# Altium PCB Fri3D_2024_00.PcbDoc (part 1 of 2)
Units mm, origin at the board's own origin, x right, y up, seen from the top; angles counter-clockwise.
Board outline 130.04 x 99.52 mm, 2 copper layers (Top Layer, Bottom Layer), stack 1.571 mm thick; 101 components, 67 nets, 406 pads, 196 vias.
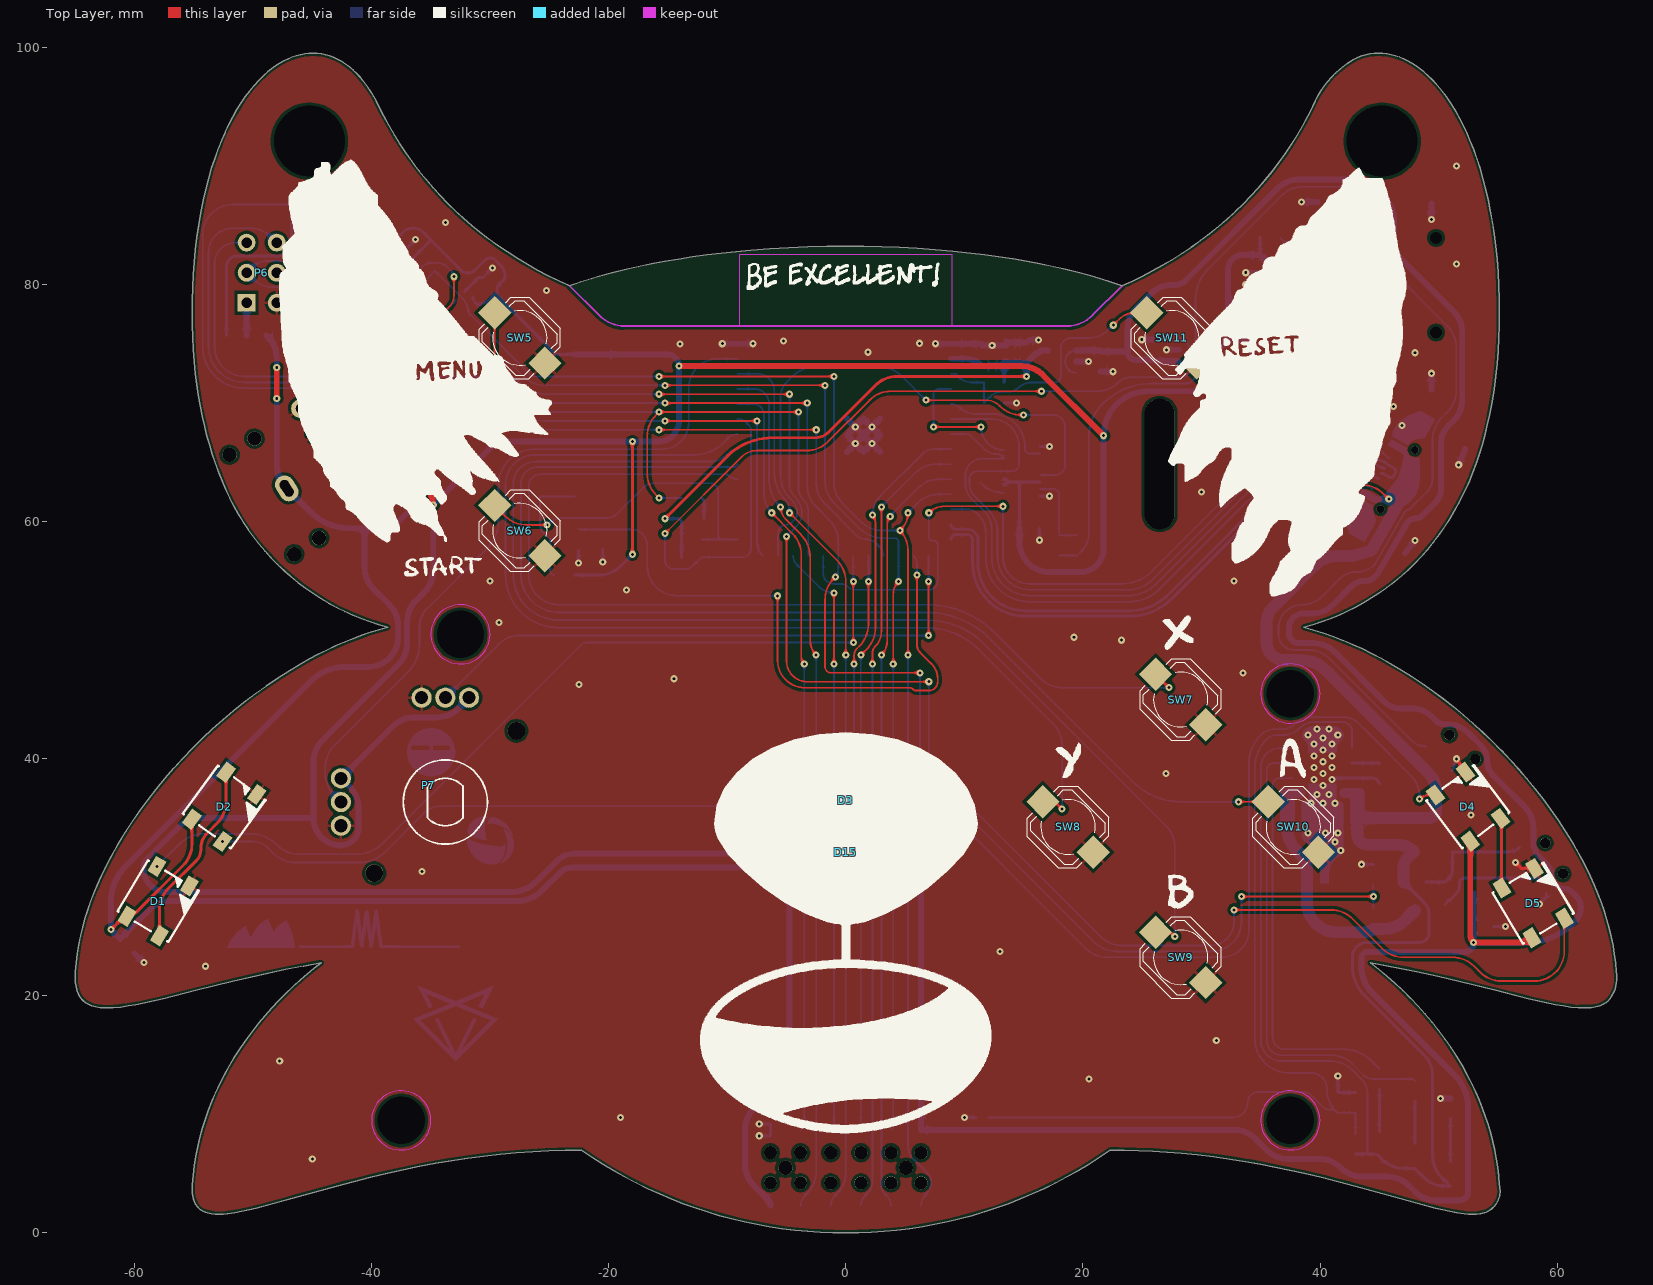
[diagram p0: Top Layer view]
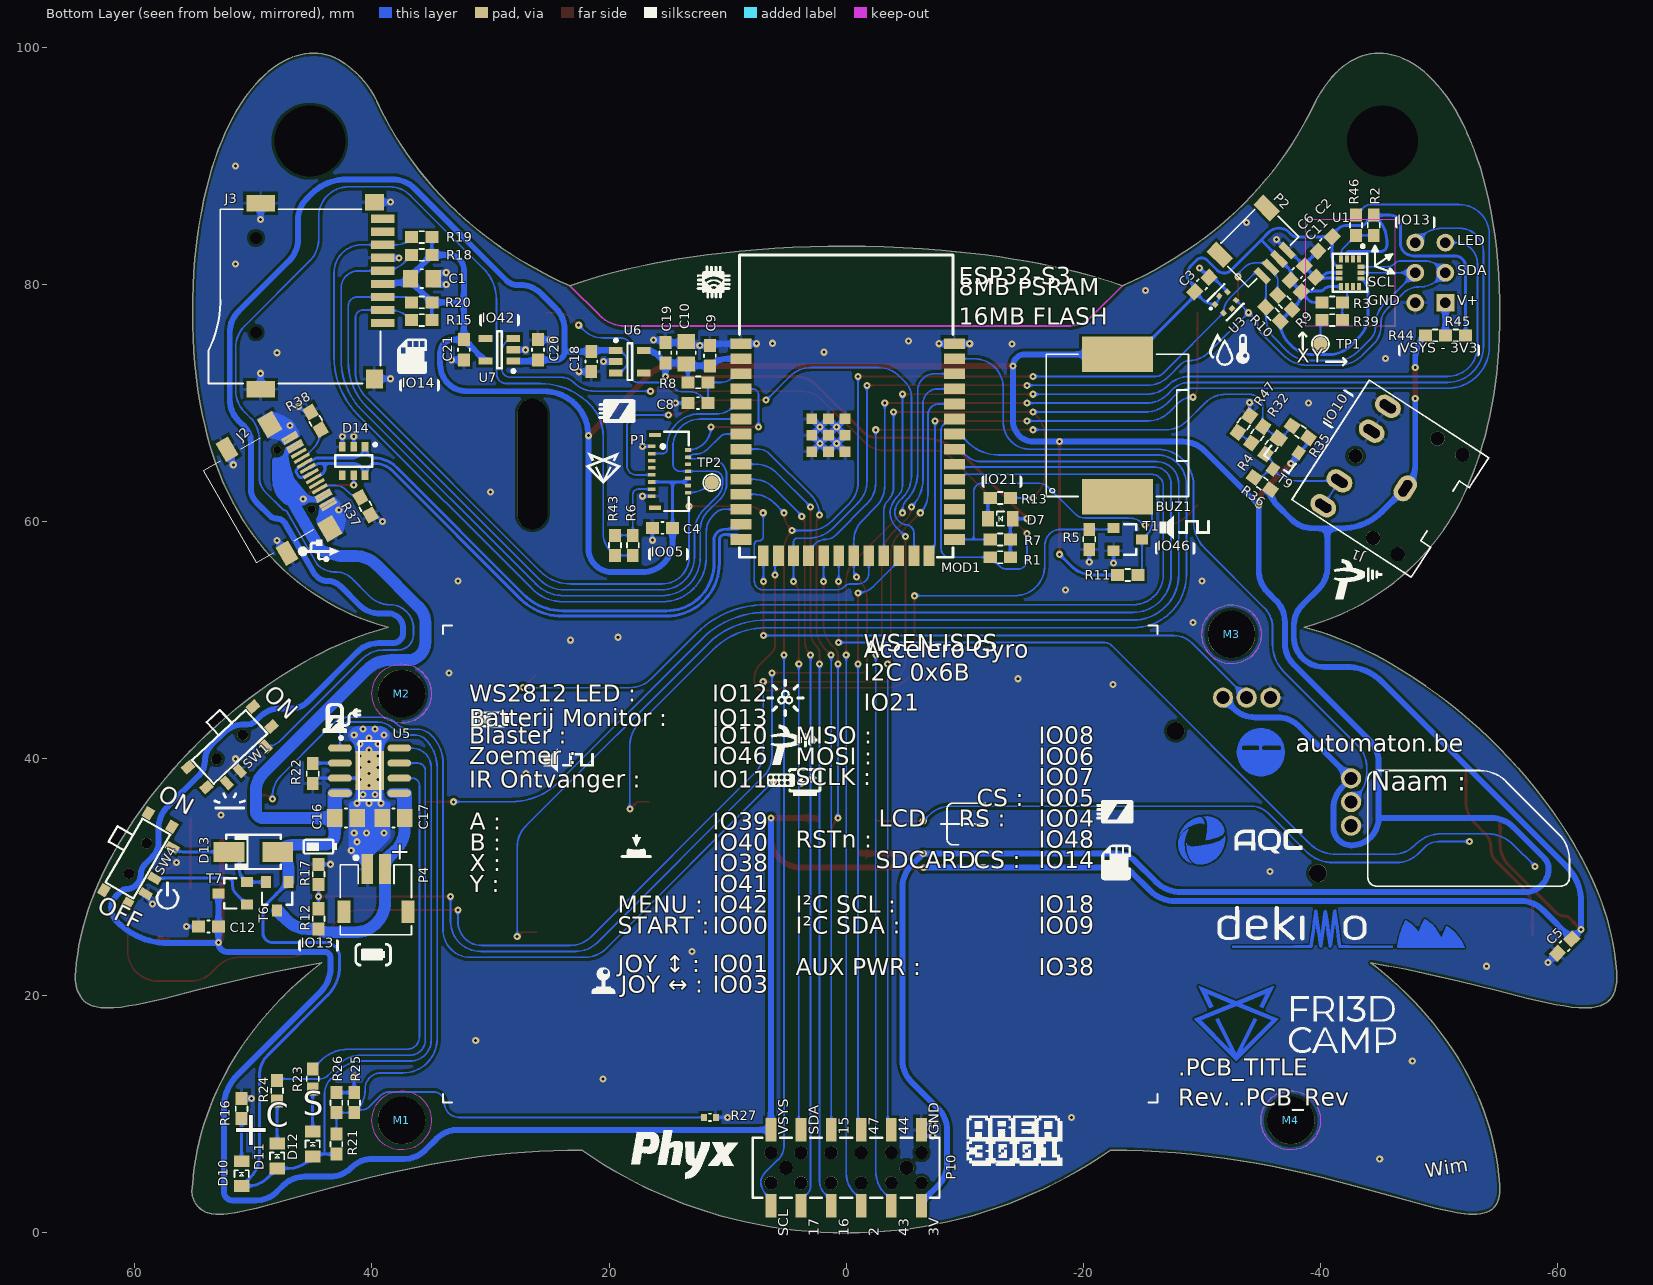
[diagram p1: Bottom Layer view, seen from below]
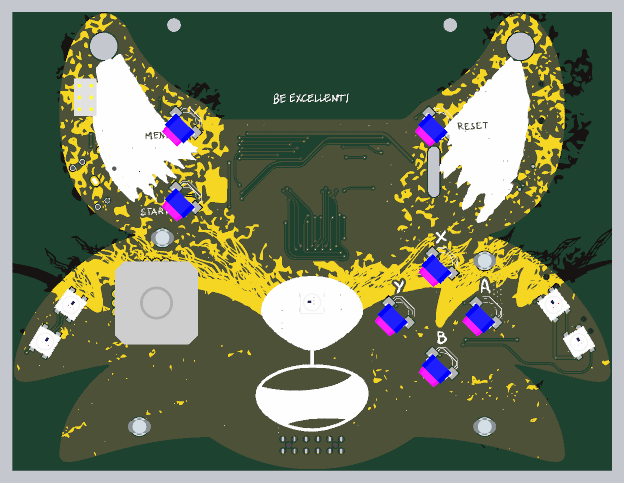
[diagram p3: 3D render of the assembled board from above, using the file's embedded part models]
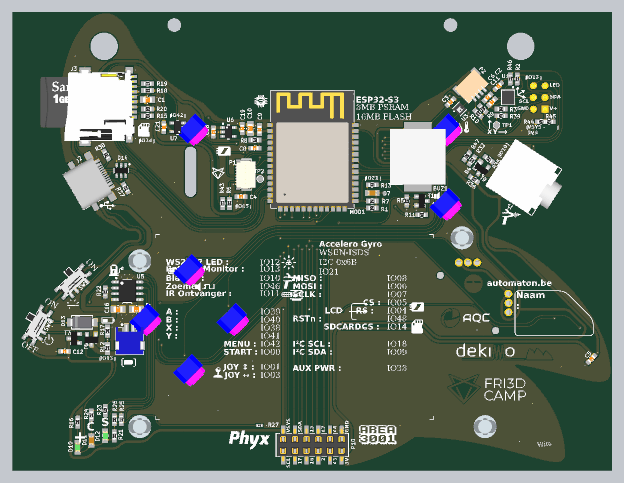
[diagram p4: 3D render of the assembled board from below, using the file's embedded part models]

## Layer stack, top to bottom
Top Solder: solder mask 0.0102, Solder Resist, Dk 3.5
Top Layer: signal copper 0.0356
Dielectric1: core 1.5, FR-4, Dk 4.8
Bottom Layer: signal copper 0.0356
Bottom Solder: solder mask 0.0102, Solder Resist, Dk 3.5

## Board outline
-63.256,19.074 ccw(c-62.252,24.51) -61.788,19.002 ccw(c-62.964,34.759) -59.89,19.26 ccw(c-68.889,65.644) -57.57,19.771 -54.837,20.457 -51.7,21.24 cw(c-26.332,-82.199) -44.25,22.787 ccw(c-25.075,-2.425) -46.003,21.352 ccw(c-26.307,-1.111) -50.539,16.363 ccw(c-29.06,0.905) -52.822,12.552 ccw(c-32.639,2.54) -55.117,4.074 ccw(c-52.153,3.711) -54.866,2.464 ccw(c-53.506,3.213) -53.87,1.703 ccw(c-52.825,6.195) -52.155,1.632 ccw(c-54.496,20.473) -49.749,2.09 ccw(c-72.093,91.13) -46.678,2.918 -42.969,3.955 cw(c-13.303,-104.925) -38.65,5.041 cw(c-21.899,-65.855) -22.298,6.991 ccw(c-0.057,38.872) 0,0 ccw(c0.057,38.874) 22.298,6.991 cw(c22.239,-60.292) 28.287,6.719 cw(c21.753,-65.511) 33.747,6.015 cw(c19.894,-76.482) 38.65,5.041 cw(c13.305,-104.916) 42.969,3.955 46.678,2.918 ccw(c72.092,91.122) 49.749,2.091 ccw(c54.496,20.473) 52.156,1.632 ccw(c52.825,6.195) 53.871,1.703 ccw(c53.257,3.539) 55.117,4.074 ccw(c33.566,2.696) 54.385,8.433 ccw(c31.587,2.141) 52.823,12.552 ccw(c29.061,0.905) 50.54,16.363 ccw(c25.928,-1.44) 44.251,22.787 cw(c28.417,-71.227) 48.169,22.043 cw(c22.401,-99.498) 51.701,21.24 54.838,20.457 57.57,19.771 ccw(c68.89,65.643) 59.89,19.26 ccw(c62.965,34.759) 61.789,19.002 ccw(c62.253,24.51) 63.257,19.074 ccw(c62.868,21.245) 64.285,19.555 ccw(c62.117,21.514) 64.989,22.053 ccw(c45.903,20.846) 64.407,25.677 ccw(c40.218,19.379) 63.138,29.349 ccw(c33.937,16.674) 61.27,32.992 ccw(c23.743,10.09) 49.521,45.703 ccw(c25.943,13.31) 45.945,48.026 ccw(c30.862,22.347) 38.628,51.097 ccw(c33.432,71.011) 47.457,55.949 ccw(c33.022,71.262) 51.334,60.893 ccw(c29.914,73.088) 52.886,64.153 ccw(c25.545,74.776) 54.084,68 ccw(c13.859,77.236) 55.129,77.633 ccw(c5.405,77.744) 54.819,83.286 ccw(c16.728,79.035) 53.958,88.143 ccw(c26.604,81.478) 52.646,92.176 ccw(c34.694,84.834) 50.985,95.359 ccw(c40.532,88.643) 49.078,97.662 ccw(c43.831,92.155) 47.024,99.059 ccw(c44.915,94.476) 44.926,99.521 ccw(c44.971,94.926) 42.885,99.02 ccw(c47.029,91.853) 39.38,95.021 cw(c12.329,108.103) 32.859,86.161 cw(c9.87,110.824) 23.309,79.903 ccw(c10.123,42.686) 21.507,80.493 ccw(c7.774,34.908) 19.561,81.034 ccw(c5.708,26.846) 17.481,81.524 ccw(c3.969,18.793) 15.278,81.958 ccw(c1.991,7.441) 10.538,82.649 ccw(c0.136,-9.79) 0,83.233 ccw(c-0.068,-11.959) -8.021,82.9 ccw(c-1.107,0.645) -12.96,82.334 ccw(c-2.574,11.031) -15.278,81.958 ccw(c-3.967,18.789) -17.481,81.524 ccw(c-5.707,26.84) -19.561,81.034 ccw(c-8.891,38.921) -23.309,79.903 cw(c-9.345,111.78) -29.369,83.316 cw(c-11.889,108.401) -39.38,95.021 ccw(c-49.242,90.422) -41.002,97.53 ccw(c-45.802,93.403) -42.885,99.02 ccw(c-44.97,94.927) -44.926,99.521 ccw(c-44.915,94.476) -47.024,99.059 ccw(c-43.831,92.156) -49.077,97.662 ccw(c-40.532,88.643) -50.985,95.359 ccw(c-34.693,84.834) -52.645,92.176 ccw(c-26.603,81.478) -53.957,88.143 ccw(c-11.254,78.065) -55.128,77.633 ccw(c-8.436,77.523) -54.855,72.478 ccw(c-18.624,76.414) -54.083,68 ccw(c-25.544,74.776) -52.886,64.153 ccw(c-33.37,71.152) -38.627,51.097 ccw(c-31.981,25.628) -42.284,49.85 ccw(c-29.186,18.984) -45.944,48.026 ccw(c-23.463,9.684) -58.888,36.527 ccw(c-28.219,13.292) -61.27,32.992 ccw(c-33.935,16.674) -63.138,29.349 ccw(c-43.213,20.414) -64.988,22.053 ccw(c-60.371,21.654) -64.865,20.522 ccw(c-62.957,21.009) -64.285,19.555 ccw(c-62.868,21.245)

## Design rules (kind name [scope] priority, off if disabled: settings)
BoardOutlineClearance [NOT OnLayer('Top Overlay') AND NOT OnLayer('Bottom Overlay') AND NOT IsText AND NOT HasFootprint('MicroBIT_V2_PCB') AND NOT IsKeepOut] p1: gap=0.5 ignorepadtopadclearanceinfootprint=FALSE except(0: Arc-SplitContinuation Track-SplitContinuation SMDPad-SplitContinuation THPad-SplitContinuation Via-SplitContinuation Fill-SplitContinuation Poly-SplitContinuation Region-SplitContinuation Text-SplitContinuation; 0.15: SMDPad-OutlineEdge THPad-OutlineEdge; 0.25: Poly-OutlineEdge Region-OutlineEdge; 0.3: Arc-OutlineEdge Track-OutlineEdge; 0.4: Via-OutlineEdge)
Clearance [All] p1: gap=0.15 ignorepadtopadclearanceinfootprint=FALSE except(0: Arc-Hole Track-Hole SMDPad-Hole THPad-Hole Via-Hole Fill-Hole Poly-Hole Region-Hole Text-Hole; 0.25: Arc-Poly Track-Poly SMDPad-Poly THPad-Poly Via-Poly Fill-Poly; 1.1: Poly-Poly)
ComponentClearance ComponentClearance_TP [HasFootprint('TP_2x3mm')] p1: gap=0 collisioncheckmode=3 verticalgap=0 showdistances=FALSE
ComponentClearance ComponentClearance_CO2 [InComponent('P5') OR InComponent('P8') OR InComponent('MOD2') vs InComponent('P5') OR InComponent('P8') OR InComponent('MOD2')] p2: gap=0 collisioncheckmode=3 verticalgap=0 showdistances=FALSE
ComponentClearance ComponentClearance_BAT [InComponent('P4')  OR InComponent('BAT1') OR InComponent('R27') vs InComponent('P4')  OR InComponent('BAT1') OR InComponent('R27')] p3: gap=0 collisioncheckmode=3 verticalgap=0 showdistances=FALSE
ComponentClearance ComponentClearance_R31-T5 [InComponent('R31') OR InComponent('T5') vs InComponent('R31') OR InComponent('T5')] p4: gap=0 collisioncheckmode=3 verticalgap=0 showdistances=FALSE
ComponentClearance "ComponentClearance_Selection resistors" [InComponent('R45') OR InComponent('R44') OR InComponent('R33') OR InComponent('R34') vs InComponent('R45') OR InComponent('R44') OR InComponent('R33') OR InComponent('R34')] p5: gap=0 collisioncheckmode=3 verticalgap=0 showdistances=FALSE
ComponentClearance ComponentClearance_T9-R4 [InComponent('R4') OR InComponent('T9') vs InComponent('R4') OR InComponent('T9')] p6: gap=0 collisioncheckmode=3 verticalgap=0 showdistances=FALSE
ComponentClearance ComponentClearance_IR [InComponent('D6') OR InComponent('D15') vs InComponent('D6') OR InComponent('D15')] p7: gap=0 collisioncheckmode=3 verticalgap=0 showdistances=FALSE
ComponentClearance [All] p8: gap=0.25 collisioncheckmode=3 verticalgap=0.25 showdistances=FALSE
DiffPairsRouting [All] p1: maxlimit=0.254 minlimit=0.2 mostfreqgap=0.2 toplayer_minwidth=0.25 toplayer_maxwidth=0.5 toplayer_prefwidth=0.25 bottomlayer_minwidth=0.25 bottomlayer_maxwidth=0.5 bottomlayer_prefwidth=0.25 maxuncoupledlength=12.7
HoleSize [All] p1: absolutevalues=TRUE maxlimit=20 minlimit=0.025 maxpercent=80.000 minpercent=20.000
PolygonConnect PolygonConnect_VIA [IsVia] p1: connectstyle=Direct reliefconductorwidth=0.254 reliefentries=4 polygonreliefangle="90 Angle" airgapwidth=0.254
PolygonConnect [All] p2: connectstyle=Relief reliefconductorwidth=0.254 reliefentries=4 polygonreliefangle="90 Angle" airgapwidth=0.254
RoutingVias [All] p1: holewidth=0.3 width=0.7 viastyle="Through Hole" minholewidth=0.3 minwidth=0.2 maxholewidth=0.6 maxwidth=1.2
SilkToSolderMaskClearance SilkscreenOverComponentPads [IsPad] p1: minsilkscreentomaskgap=0.254 clearancetoexposedcopper=TRUE
SolderMaskExpansion [All] p1: expansion=0.05 istentingtop=FALSE
Width [All] p1: maxlimit=5 minlimit=0.15 preferedwidth=0.25
26 further rules are at their usual default settings.

## Classes and differential pairs
net class ESP.IO[0..48]: ESP.IO0 ESP.IO1 ESP.IO2 ESP.IO3 ESP.IO4 ESP.IO5 ESP.IO6 ESP.IO7 ESP.IO8 ESP.IO9 ESP.IO10 ESP.IO11 ESP.IO12 ESP.IO13 ESP.IO14 ESP.IO15 ESP.IO16 ESP.IO17 ESP.IO18 ESP.IO19 ESP.IO20 ESP.IO21 ESP.IO22 ESP.IO23 ESP.IO24 ESP.IO28 ESP.IO29 ESP.IO30 ESP.IO31 ESP.IO35 ESP.IO37 ESP.IO38 ESP.IO39 ESP.IO40 ESP.IO41 ESP.IO42 ESP.IO43 ESP.IO44 ESP.IO45 ESP.IO46 ESP.IO47 ESP.IO48
net class 90r: USB.D_n USB.D_p
component class Power: C16 C17 C18 C19 C20 C21 D11 D12 D13 P4 R1 R21 R22 R23 R24 R25 R26 R27 SW4 T6 T7 U5 U6 U7
component class Peripherals: BUZ1 C1 C2 C3 C4 C5 C6 C11 C12 D1 D2 D3 D4 D5 D15 J3 P1 P2 P7 R2 R3 R5 R6 R11 R15 R18 R19 R20 R39 R43 R46 SW1 SW5 SW6 SW7 SW8 SW9 SW10 T1 TP1 TP2 U1 U3
component class Fri3D_2024_00: D14 J1 J2 M1 M2 M3 M4 P6 P10 R4 R32 R35 R36 R37 R38 R44 R45 R47 T9
component class ESP32: C8 C9 C10 D7 D10 MOD1 R7 R8 R9 R10 R12 R13 R16 R17 SW11
net class POWER: 3V3_AUX 3V3_ESP GND VB-S VBAT VSYS VUSB
differential pair USB.D: +USB.D_p -USB.D_n

## Components (designator, comment, footprint, x,y, rotation, side; value= is the part's Value field where it differs from the comment)
BUZ1 "12x12x3mm Piezo Buzzer Transducer 81dB" CUI_CMT-1203-SMT -22.88,68.115 r90 bottom value=CMT-1203-SMT
C1 "CAP_CERAMIC" C0805_N 35.8,80.5 r180 bottom value="10uF 10V"
C2 "" C0603_N -40.395,83.426 r315 bottom value="100nF 16V"
C3 "" C0603_N -30,80 r135 bottom value="100nF 16V"
C4 "" C0603_N 15.5,59.474 r0 bottom value="100nF 16V"
C5 "CAP_CERAMIC" C0603_N -60.6,24.2 r315 bottom value="1uF 16V"
C6 "" C0603_N -38.05,80.963 r135 bottom value="100nF 16V"
C8 "" C0603_N 12.5,70 r0 bottom value="100nF 16V"
C9 "" C0603_N 11.5,74 r90 bottom value="100nF 16V"
C10 "CAP_CERAMIC" C0805_N 13.5,74.25 r90 bottom value="10uF 10V"
C11 "CAP_CERAMIC" C0603_N -39,80 r135 bottom value="1uF 16V"
C12 "CAP_CERAMIC" C0603_N 53.8,25.85 r0 bottom value="1uF 16V"
C16 "CAP_CERAMIC" C0805_N 42.2,35 r180 bottom value="10uF 10V"
C17 "CAP_CERAMIC" C0805_N 38.2,35 r0 bottom value="10uF 10V"
C18 "CAP_CERAMIC" C0603_N 21.5,73.5 r270 bottom value="1uF 16V"
C19 "CAP_CERAMIC" C0603_N 15.25,74.25 r90 bottom value="1uF 16V"
C20 "CAP_CERAMIC" C0603_N 26,74.5 r90 bottom value="1uF 16V"
C21 "CAP_CERAMIC" C0603_N 32.25,74.5 r270 bottom value="1uF 16V"
D1 "WS2812 based digital RGB LED 5050 White package reduced current" LED_5050_WS2812B_WHITE -58,28 r59 top value="WS218C 5050 WH"
D2 "WS2812 based digital RGB LED 5050 White package reduced current" LED_5050_WS2812B_WHITE -52.422,35.943 r54 top value="WS218C 5050 WH"
D3 "WS2812 based digital RGB LED 5050 White package reduced current" LED_5050_WS2812B_WHITE 0,36.5 r180 top value="WS218C 5050 WH"
D4 "WS2812 based digital RGB LED 5050 White package reduced current" LED_5050_WS2812B_WHITE 52.477,35.96 r127 top value="WS218C 5050 WH"
D5 "WS2812 based digital RGB LED 5050 White package reduced current" LED_5050_WS2812B_WHITE 57.976,27.825 r121 top value="WS218C 5050 WH"
D7 "Default 0805 Red LED" LED_0805_RD -13,60.25 r0 bottom
D10 "Default 0805 Green LED" LED_0805_GR 51,5 r90 bottom
D11 "Default 0805 Red LED" LED_0805_RD 48,6.5 r90 bottom
D12 "Default 0805 Green LED" LED_0805_GR 45,7.5 r90 bottom
D13 "MBRA210LT3G Schottky Power Rectifier, 2A, 10V" SMA_AC 50,32.15 r0 bottom value=MBRA210LT3G
D14 "TVS Diode Dual USB" NXP_SOT457 41.54,65.118 r270 bottom value=IP4220CZ6
D15 "ZIRM-5042B-42-Z2 Infrared Receiver 38 kHz 45° 2.7-5.5V 940nm" CHAU_ZIRM-5042B-42-Z2 0,32.1 r180 top value=ZIRM-5042B-42-Z2
J1 "3.5mm jack, dual switch, black, 3 contacts" CUI_SJ1-3525NG -42.964,65.536 r33 bottom value=SJ1-3525NG
J2 "USB 2.0 C Reversible Receptacle Horizontal full SMD" XUNPU-TYPEC-304S-ACP16 47.5,63 r240 bottom value=TYPEC-304S-ACP16
J3 "Micro SD PiPo Push-Push" TFP09-2-12B 44.441,79.054 r270 bottom locked value=TFP09-2-12B
M1 "HIWA LCC-12 Snap-in - Snap-in 12.7mm" WE_709622400 37.5,9.5 r180 bottom value=LCC-12
M2 "HIWA LCC-12 Snap-in - Snap-in 12.7mm" WE_709622400 37.5,45.5 r180 bottom value=LCC-12
M3 "HIWA LCC-12 Snap-in - Snap-in 12.7mm" WE_709622400 -32.5,50.5 r180 bottom value=LCC-12
M4 "HIWA LCC-12 Snap-in - Snap-in 12.7mm" WE_709622400 -37.5,9.5 r180 bottom value=LCC-12
MOD1 "ESP32-S3 based WROOM-1 16MB Flash, 8MB PSRAM" ESP-ESP32-S3-WROOM-1 9,57 r180 bottom locked value=ESP32-S3-WROOM-1-N16R8
P1 "Top contact FPC 0.3mm pitch 15 contacts" FPC_0.3K-HX-15PWB 14.868,64.248 r270 bottom value=0.3K-HX-15PWB
P2 "Header 1.0mm RA Shrouded 4" WE_665104131822 -37.21,82.871 r315 bottom value=665104131822
P4 "Header RA 1.5mm Shrouded S2B-ZR-SM4A-TF" JST_ZH_S2B-ZR-SM4A-TF 40.4,30.7 r180 bottom value=S2B-ZR-SM4A-TF
P6 "Receptacle 3x2" RCPT2X3 -48,78.46 r90 top
P7 "PSP Mini Joystick" PSP_Mini_Joystick -33.783,36.352 r270 top
P10 "Receptacle 6x2 SMD low profile" WE_610312243021_POST 0,5.5 r0 bottom value=610312243021
R1 "RESISTOR" R0603_N -13,57 r0 bottom value=10K
R2 "RESISTOR" R0603_N -44.5,85 r270 bottom value=5K1
R3 "RESISTOR" R0603_N -41,78.5 r180 bottom value=100K
R4 "RESISTOR" R0603_N -35.884,66.39 r306 bottom value=5K1
R5 "RESISTOR" R0603_N -20.5,58.5 r270 bottom value=100K
R6 "RESISTOR" R0603_N 18,58 r270 bottom value=100R
R7 "RESISTOR" R0603_N -13,58.5 r0 bottom value=5K1
R8 "RESISTOR" R0603_N 12.5,71.75 r180 bottom value=5K1
R9 "RESISTOR" R0603_N -37,78.5 r45 bottom value=5K1
R10 "RESISTOR" R0603_N -36,77.5 r45 bottom value=5K1
R11 "RESISTOR" R0603_N -23.75,55.5 r0 bottom value=1K2
R12 "RESISTOR" R0603_N 44.5,26.5 r90 bottom value=100K
R13 "RESISTOR" R0603_N -13,62 r180 bottom value=1K2
R15 "RESISTOR" R0603_N 35.8,77 r0 bottom value=10K
R16 "RESISTOR" R0603_N 51,10.5 r90 bottom value=1K2
R17 "RESISTOR" R0603_N 44.5,30.25 r90 bottom value=100K
R18 "RESISTOR" R0603_N 35.8,82.5 r0 bottom value=10K
R19 "RESISTOR" R0603_N 35.8,84 r0 bottom value=10K
R20 "RESISTOR" R0603_N 35.8,78.5 r0 bottom value=10K
R21 "RESISTOR" R0603_N 43,7.5 r90 bottom value=5K1
R22 "RESISTOR" R0603_N 45,38.75 r270 bottom value=1K2
R23 "RESISTOR" R0603_N 45,13 r90 bottom value=1K2
R24 "RESISTOR" R0603_N 48,12 r90 bottom value=1K2
R25 "RESISTOR" R0603_N 41.5,11 r90 bottom value=100K
R26 "RESISTOR" R0603_N 43,11 r90 bottom value=100K
R27 "NTC" R0402 11.5,9.75 r180 bottom value=10K
R32 "RESISTOR" R0603_N -34.67,67.322 r126 bottom value=5K1
R35 "RESISTOR" R0603_N -38.301,67.579 r36 bottom value=5K1
R36 "RESISTOR" R0603_N -35.099,63.221 r36 bottom value=5K1
R37 "RESISTOR" R0603_N 40.55,61.3 r240 bottom value=5K1
R38 "RESISTOR" R0603_N 44.75,68.5 r60 bottom value=5K1
R39 "RESISTOR" R0603_N -41,77 r0 bottom value=100R
R43 "RESISTOR" R0603_N 19.5,58 r270 bottom value=100R
R44 "RESISTOR" R0603_N -49.7,75.71 r0 bottom value=5K1
R45 "RESISTOR" R0603_N -51.4,75.71 r0 bottom value=0R
R46 "RESISTOR" R0603_N -43,85 r90 bottom value=100R
R47 "RESISTOR" R0603_N -33.538,68.24 r126 bottom value=5K1
SW1 "SW_1P2T" WE_450404015514 52,41 r137 bottom
SW4 "SW_1P2T" WE_450404015514 59.746,31.589 r120 bottom
SW5 "SKPMAME010 6x6 TACTG Switch" ALPS_SKPMAME010 -27.5,75.5 r315 top value=SKPMAME010
SW6 "SKPMAME010 6x6 TACTG Switch" ALPS_SKPMAME010 -27.5,59.25 r315 top value=SKPMAME010
SW7 "SKPMAME010 6x6 TACTG Switch" ALPS_SKPMAME010 28.25,45 r315 top value=SKPMAME010
SW8 "SKPMAME010 6x6 TACTG Switch" ALPS_SKPMAME010 18.75,34.25 r315 top value=SKPMAME010
SW9 "SKPMAME010 6x6 TACTG Switch" ALPS_SKPMAME010 28.25,23.25 r315 top value=SKPMAME010
SW10 "SKPMAME010 6x6 TACTG Switch" ALPS_SKPMAME010 37.75,34.25 r315 top value=SKPMAME010
SW11 "SKPMAME010 6x6 TACTG Switch" ALPS_SKPMAME010 27.5,75.5 r315 top value=SKPMAME010
T1 "0.2A N-Ch MOSFET Vgs 3.2" SOT23-3 -23.75,58.5 r270 bottom value=BSS138
T6 "-2.3A -20V P-Ch MOSFET Vgs -1V" SOT23-3 48,28.4 r0 bottom value=SL2301
T7 "-2.3A -20V P-Ch MOSFET Vgs -1V" SOT23-3 51.75,28.65 r90 bottom value=SL2301
T9 "0.2A N-Ch MOSFET Vgs 3.2" SOT23-3 -36.7,65.4 r36 bottom value=BSS138
TP1 "TEST_PAD" TP_1.2mm -40,75 r180 bottom value="NO BOM"
TP2 "TEST_PAD" TP_1.2mm 11.345,63.297 r180 bottom value="NO BOM"
U1 "Acceleration ±2, ±4, ±8, ±16g Gyro ±125, ±250, ±500, ±1000, ±2000dps" WE_2536030320001 -42.5,81 r270 bottom value=2536030320001
U3 "WSEN-HIDS 2525020210001 temperature and humidity sensor Digital I2C" WE_2525020210001 -32,78.5 r135 bottom value=2525020210001
U5 "Single Cell LiIon charger max 1A" SOIC_N_8_TH 40.2,39 r180 bottom value=TP4056
U6 "3V3 LDO 700mA 50mV" SOT23-5 18.25,73.5 r180 bottom value=XC6210B332MR
U7 "3V3 LDO 700mA 50mV" SOT23-5 29.25,74.5 r0 bottom value=XC6210B332MR

## Footprints (in the part's own frame and the unit in brackets; to place one, negate y for a bottom-side part, rotate by r counter-clockwise, add the part's x,y. Pads: shape width x height; smd on the part's side, far side on the other; paste and mask are expansions set on the pad)
ALPS_SKPMAME010 [mm] "ALPS SKPMAME010"
  rect 2x2 smd: 1(-3,0) 2(3,0)
  silkscreen extent -2.95,-3 2.95,3, body extent -3.3,-2.97 3.3,2.97, height 5
C0603_N [mm] "Low density"
  rect 1.1x1 smd: 1(-0.85,0) 2(0.85,0)
  silkscreen extent -0.1,-0.5 0.1,0.5, body extent -0.8,-0.4 0.8,0.4, height 0.3
C0805_N [mm] "Low density"
  rect 1.3x1.5 smd: 1(-0.95,0) 2(0.95,0)
  silkscreen extent -0.1,-0.8 0.1,0.8, body extent -1,-0.62 1,0.63, height 0.78
CHAU_ZIRM-5042B-42-Z2 [mm] "CHAU SMD IR Receiver"
  rect 0.8x1.5 smd: 1(-1.27,0) 2(0,0) 3(1.27,0)
  body extent -2.5,0 2.5,4.2, height 4.4
CUI_CMT-1203-SMT [mm] "12x12x3mm piezo buzzer"
  rect 3x6 smd: 1(-6,0) 2(6,0)
  silkscreen extent -6,-6 6,6, body extent -6,-6 6,6, height 3.05
CUI_SJ1-3525NG [mm] "CUI SJ1-3525NG Audio Jack 3.5mm"
  round 1.2 hole 1.2 unplated: 0(-7.5,5) 0(-7.5,-5) 0(-5,-5) 0(-5,5) 0(0,0)
  oval 1.6x2.3 hole 0.8 slot 1.5 at 90 deg: 1(-5,0)
  oval 2.3x1.6 hole 0.8 slot 1.5 at 0 deg: 2(0,-5) 3(0,5) 4(0,-2.5) 5(0,2.5)
  silkscreen extent -9.5,-6 2.5,6, body extent -11.55,-6 2.5,6, height 5.54
ESP-ESP32-S3-WROOM-1 [mm] "ESP32-S3-WROOM-1 Module"
  rect 1.75x0.9 smd: 1(0.125,18.01) 2(0.125,16.74) 3(0.125,15.47) 4(0.125,14.2) 5(0.125,12.93) 6(0.125,11.66) 7(0.125,10.39) 8(0.125,9.12) 9(0.125,7.85) 10(0.125,6.58) 11(0.125,5.31) 12(0.125,4.04) 13(0.125,2.77) 14(0.125,1.5) 27(18.125,1.5) 28(18.125,2.77) 29(18.125,4.04) 30(18.125,5.31) 31(18.125,6.58) 32(18.125,7.85) 33(18.125,9.12) 34(18.125,10.39) 35(18.125,11.66) 36(18.125,12.93) 37(18.125,14.2) 38(18.125,15.47) 39(18.125,16.74) 40(18.125,18.01)
  rect 0.9x1.75 smd: 15(2.015,0.125) 16(3.285,0.125) 17(4.555,0.125) 18(5.825,0.125) 19(7.095,0.125) 20(8.365,0.125) 21(9.635,0.125) 22(10.905,0.125) 23(12.175,0.125) 24(13.445,0.125) 25(14.715,0.125) 26(15.985,0.125)
  rect 0.9x0.9 smd: 41(6.1,8.89) 41(6.1,10.29) 41(6.1,11.69) 41(7.5,8.89) 41(7.5,10.29) 41(7.5,11.69) 41(8.9,8.89) 41(8.9,10.29) 41(8.9,11.69)
  Keep-Out Layer region: 0,25.5 18,25.5 18,19.5 0,19.5
  silkscreen extent 0,0 18,25.5, body extent 0,0 18,25.5, height 3.2
FPC_0.3K-HX-15PWB [mm]
  rect 0.3x0.67 smd: 1(-2.1,-1.532) 3(-1.5,-1.532) 5(-0.9,-1.532) 7(-0.3,-1.532) 9(0.3,-1.532) 11(0.9,-1.532) 13(1.5,-1.532) 15(2.1,-1.532)
  rect 0.3x0.5 smd: 2(-1.8,1.533) 4(-1.2,1.533) 6(-0.6,1.533) 8(0,1.533) 10(0.6,1.533) 12(1.2,1.533) 14(1.8,1.533)
  rect 0.35x1 smd: MH1(-3.075,-1.267) MH2(3.075,-1.267)
  silkscreen extent -3.35,-0.63 3.35,1.58, body extent -3.04,-1.73 3.06,2.47, height 0.9
JST_ZH_S2B-ZR-SM4A-TF [mm]
  rect 1x2.5 smd: 1(0,0) 2(1.5,0)
  rect 1.1x1.9 smd: M1(-1.95,-3.6) M2(3.45,-3.6)
  silkscreen extent -2.28,-5.55 3.72,1.09, body extent -2.28,-5.55 3.72,0.95, height 3.7
LED_0805_GR [mm] "0805 LED GREEN"
  rect 1x1.3 smd: 1(-1.05,0) 2(1.05,0)
  silkscreen extent -0.3,-0.6 0.3,0.6, body extent -1.01,-0.62 1.01,0.63, height 1.1